# Altium PCB CT9042 Main Board with transformers.PcbDoc (part 2 of 2) (continued)
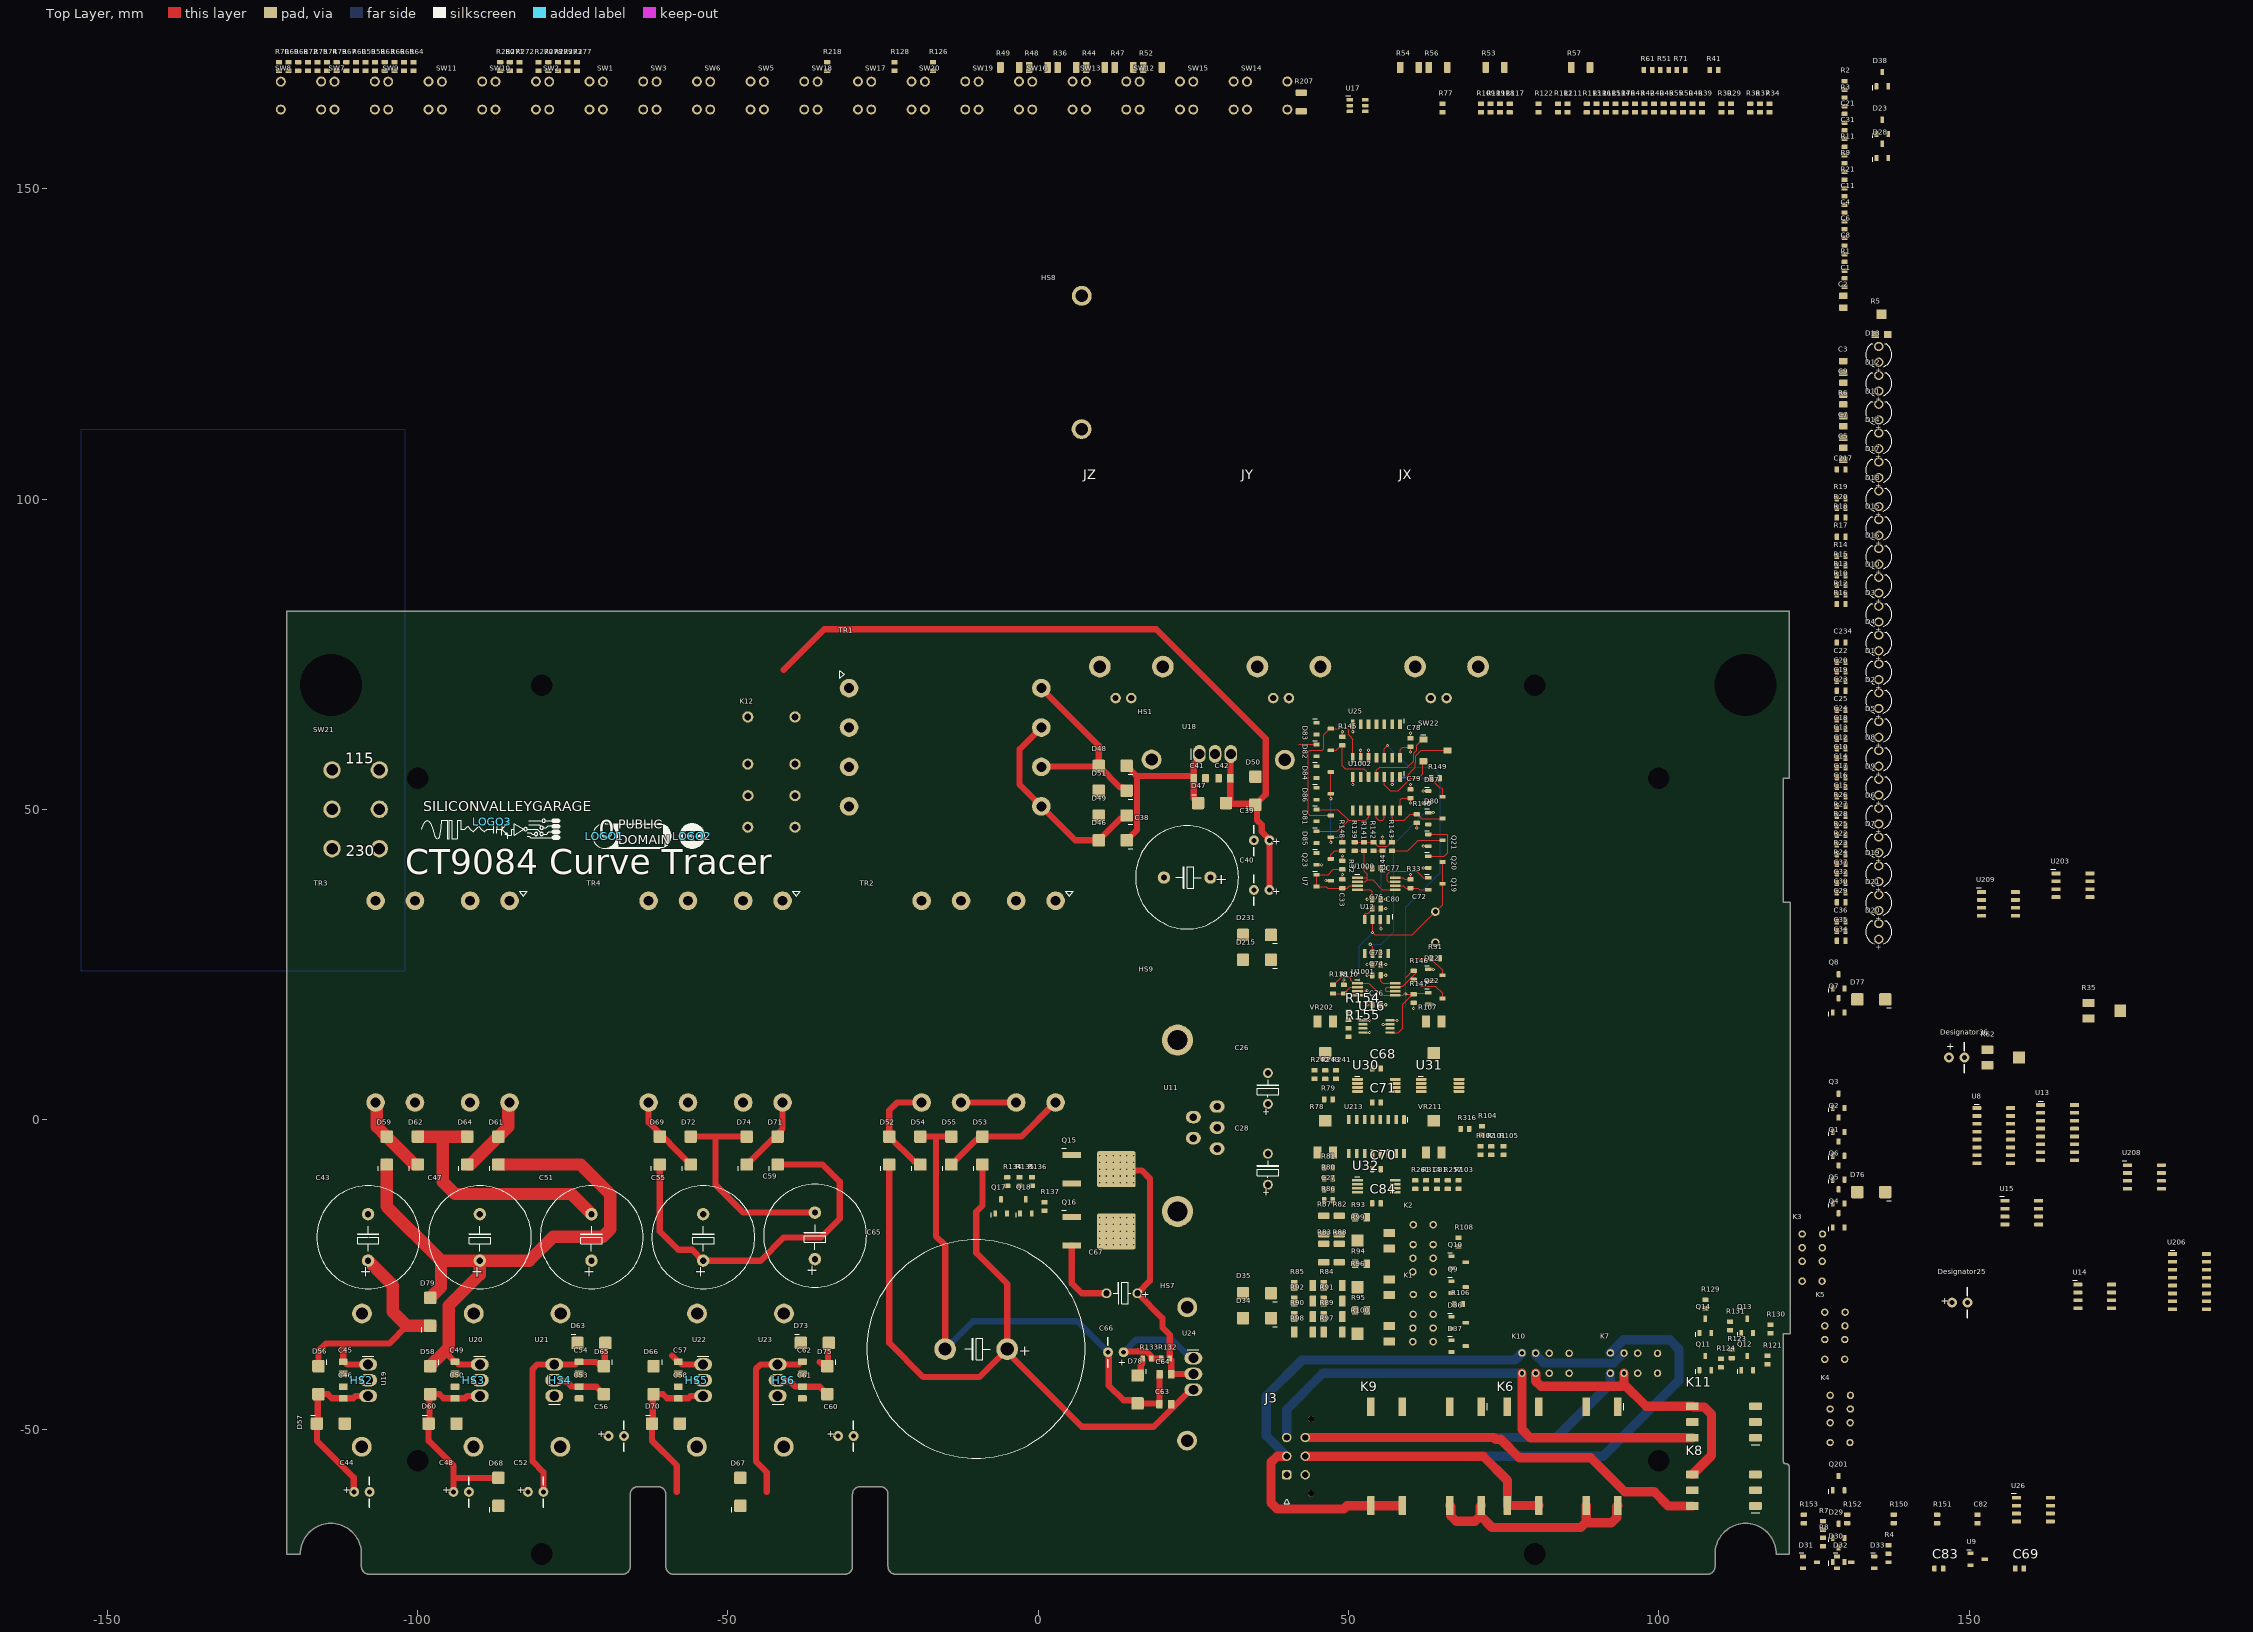
[diagram p0: Top Layer view]
## Nets (pads, with @x,y where several pads share a name; then routed paths per layer and width w, separated by ;. In a path a pad name is that pad's centre, name@x,y a point inside that pad or via, vN(x,y) a via of type N, cw(c..) or ccw(c..) an arc to the next point about the centre after c; other vN are vias at no path point) (continued)
  Top Layer w1: C52.2@-79.75,-60 -79.75,-56.85 -81.5,-55.1 -81.5,-40.204 -80.756,-39.46 U21.3@-78,-39.46 -74.585,-39.46 -74.175,-39.05 C54.2@-74,-39.05 -71.25,-39.05 D65.1@-70.6,-39.7 ; D65.1@-70,-39.75 -69.875,-39.625 -69.875,-36.125 D63.2@-69.75,-36
  Layer 2 w0.5: v2(53,34) v2(53,35.5)
N15VA: C17.2 C18.2 C19.2 C22.2 C32.1 C37.2 C60.2 C62.2 C76.2 D22.1 D23.1 D28.1 D30.1 D38.1 D67.2 D73.2 D75.1 Q5.3 Q18.2 R44.1 R137.2 U8.4 U15.3 U23.3 U203.4 U209.8 U1001.4 | length 38.6
  Top Layer w0.2: U1001.4@51.45,20.025 53.475,20.025 53.81,19.69 C76.2@53.81,18.5 v2(53,18.5) ; D22.1@62.85,24.2 v2(63.66,24.2)
  Top Layer w1: -43.75,-60 -43.75,-56.85 -45.5,-55.1 -45.5,-40.204 -44.756,-39.46 U23.3@-42,-39.46 -38.585,-39.46 -38.175,-39.05 C62.2@-38,-39.05 ; -35.25,-39.05 D75.1@-34.6,-39.7 ; D75.1@-34,-39.75 -33.875,-39.625 -33.875,-36.125 D73.2@-33.75,-36
N56V: C63.2 C64.2 C65.2 C66.2 C67.2 D35.1 D54.2 D55.2 D78.2 Q16.3 | length 102.2
  Top Layer w1: D54.2@-19,-2.75 -16.5,-2.75 ; C65.2@-15,-37 -15,-20.287 -16.5,-18.787 -16.5,-2.75 ; D55.2@-14,-2.75 -16.5,-2.75 ; Q16.3@5.41,-20.285 5.41,-26.41 7,-28 C67.2@11,-28 ; C66.2@11.25,-37.5 11.365,-37.615 11.365,-42.865 13.75,-45.25 15.5,-45.25 D78.2@16,-45.75 19.493,-45.75 19.518,-45.775 C63.2@19.518,-45.882 19.518,-41.245 19.547,-41.216 C64.2@19.547,-41.041
  Bottom Layer w1: C65.2@-15,-37 -10.5,-32.5 6.25,-32.5 C66.2@11.25,-37.5
NetC21_1: C21.1
NetC23_2: C23.2 R50.2 R55.1
NetC26_1: C26.1 D215.1 D231.1 U11.5
NetC27_1: C27.1 R81.2
NetC28_2: C28.2 D34.2 D35.2 U11.3
NetC33_1: C33.1 R32.2 U7.1 U7.2 U1000.3 | length 13.3
  Top Layer w0.2: R32.2@49,40.31 47.56,40.31 46.7,39.45 U7.1@44.85,39.45 U7.2@44.85,37.55 46.45,37.55 46.69,37.31 C33.1@49,37.31 49.81,37.31 50.175,37.675 U1000.3@51.45,37.675
NetC34_1: C34.1 R116.2
NetC34_2: C34.2 R117.2 R272.1 R273.2 U14.5
NetC35_1: C35.1 R218.1 R278.2
NetC36_2: C36.2 C37.1
NetC38_1: C38.1 C41.1 D46.1 D47.1 D48.1 U18.1 | length 31.3
  Top Layer w1: D46.1@14.25,45 15.9,46.65 15.9,55.35 ; D48.1@14.25,57 15.9,55.35 ; D47.1@25.75,51 25.05,51.7 C41.1@25.05,55 ; U18.1@25.957,58.913 25.957,58.192 25.05,57.286 C41.1@25.05,55 ; 15.9,55.35 24.7,55.35 24.85,55.2 25.025,55.2 25.05,55.175 C41.1@25.05,55
NetC43_1: C43.1 C45.1 D56.1 D79.1 U19.1 | length 42.2
  Top Layer w1: D56.1@-116,-39.75 -116,-37.3 -114.8,-36.1 -111.87,-36.1 ; C45.1@-112,-39.05 -112,-36.23 -111.87,-36.1 ; C45.1@-111.825,-39.05 -111.415,-39.46 U19.1@-108,-39.46 ; -101.75,-33.25 -104.6,-36.1 -111.87,-36.1
  Top Layer w2: C43.1@-108,-22.75 -104,-26.75 -104,-31 -101.75,-33.25 D79.1@-98,-33.25
NetC47_1: C47.1 C49.1 D58.1 D59.1 D61.1 D79.2 U20.1 | length 108.2
  Top Layer w1: -95,-36.75 -95,-38.05 -94.2,-38.85 -94.2,-39.025 -94.175,-39.05 C49.1@-94,-39.05 -93.825,-39.05 -93.415,-39.46 U20.1@-90,-39.46
  Top Layer w2: D59.1@-105,-7.25 -105,-14 -96.25,-22.75 ; D58.1@-98,-39.75 -95,-36.75 -95,-30 -90,-25 C47.1@-90,-22.75 ; D79.2@-98,-28.75 -96.25,-27 -96.25,-22.75 ; D61.1@-87,-7.25 -73.75,-7.25 -69,-12 -69,-17.703 -70.172,-18.875 -78.148,-18.875 -82.023,-22.75 C47.1@-90,-22.75 ; -96.25,-22.75 C47.1@-90,-22.75
NetC51_2: C51.2 C53.2 D62.2 D64.2 D65.2 U21.2 | length 50.4
  Top Layer w1: U21.2@-78,-42 -77.809,-42.191 -76.009,-42.191 -75.175,-43.025 -74.025,-43.025 C53.2@-74,-43.05 -71.2,-43.05 D65.2@-70,-44.25
  Top Layer w2: D62.2@-100,-2.75 -96,-2.75 ; D64.2@-92,-2.75 -96,-2.75 ; C51.2@-72,-15.25 -75.25,-12 -94,-12 -96,-10 -96,-2.75
NetC55_1: C55.1 C57.1 D66.1 D69.1 D71.1 U22.1 | length 67.3
  Top Layer w1: D69.1@-61,-7.25 -61,-18 -58,-21 -55.786,-21 -54.036,-22.75 C55.1@-54,-22.75 -44.75,-22.75 -41,-19 -35,-19 -32,-16 -32,-10 -34.75,-7.25 D71.1@-42,-7.25 ; -59,-38.05 -58.2,-38.85 -58.2,-39.025 -58.175,-39.05 -57.825,-39.05 -57.415,-39.46 U22.1@-54,-39.46
NetC59_2: C59.2 C61.2 D72.2 D74.2 D75.2 U23.2 | length 43.6
  Top Layer w1: D72.2@-56,-2.75 -52.031,-2.75 ; D74.2@-47,-2.75 -52.031,-2.75 ; U23.2@-42,-42 -41.809,-42.191 -40.009,-42.191 -39.175,-43.025 -38.025,-43.025 C61.2@-38,-43.05 -35.2,-43.05 D75.2@-34,-44.25 ; C59.2@-36,-15 -47.5,-15 -52.031,-10.469 -52.031,-2.75
NetC66_1: C66.1 D77.2 R132.2 R133.2 U24.1 | length 20.1
  Top Layer w1: C66.1@13.75,-37.5 13.865,-37.385 16.027,-37.385 16.062,-37.35 17.382,-37.35 18.19,-38.158 R133.2@18.19,-38.5 R132.2@19.81,-38.5
  Bottom Layer w1: C66.1@13.75,-37.5 15.75,-35.5 21.59,-35.5 24.55,-38.46 U24.1@25,-38.46
NetC72_1: C72.1 Q19.3 Q20.3 U12.3 U1001.3 | length 34.8
  Top Layer w0.2: U1001.3@51.45,20.675 51.525,20.75 v2(53,20.75) ; U12.3@53.865,32.225 v2(53.865,30.135) 54.25,29.75 60.25,29.75 C72.1@64,33.5 65.15,34.65 Q19.3@65.15,38 Q20.3@65.15,41.5
  Bottom Layer w0.2: v2(53,20.75) 51.75,22 51.75,28.02 v2(53.865,30.135)
NetC81_1: C81.1 R257.2 R314.1
NetC82_1: C82.1 R151.2
NetC82_2: C82.2 R150.1 R152.2 R153.2 U26.5
NetC217_1: C217.1 R270.2
NetC217_2: C217.2 R111.1 R113.1 R114.1 R271.2 U14.3
NetC234_1: C234.1 D23.3 Q201.3 R36.2 U203.2
NetC234_2: C234.2 Q2.1 Q5.1 R41.1 U203.1
NetD1_1: D1.1 R11.1
NetD2_1: D2.1 R8.1
NetD3_1: D3.1 R16.1
NetD4_1: D4.1 R12.1
NetD5_1: D5.1 R17.1
NetD6_1: D6.1 R15.1
NetD7_1: D7.1 R20.1
NetD8_1: D8.1 R23.1
NetD9_1: D9.1 R26.1
NetD10_1: D10.1 R28.1
NetD11_1: D11.1 R13.1
NetD12_1: D12.1 R14.1
NetD13_1: D13.1 R19.1
NetD14_1: D14.1 R22.1
NetD15_1: D15.1 R25.1
NetD16_1: D16.1 R18.1
NetD17_1: D17.1 R21.1
NetD18_1: D18.1 R24.1
NetD19_1: D19.1 R27.1
NetD20_1: D20.1 R10.1
NetD21_1: D21.1 R9.1
NetD22_3: D22.3 R31.1 U1001.6 U1001.7 | length 13.8
  Top Layer w0.2: U1001.6@57.55,20.675 56.117,20.675 56,20.792 56,21.133 56.192,21.325 U1001.7@57.55,21.325 57.675,21.45 58.7,21.45 61,23.75 ; 61,26 R31.1@63.31,26 63.31,25.865 65.15,24.025 D22.3@65.15,23.25
NetD24_1: R207.2
NetD24_3: Q2.2 Q5.2 R41.2
NetD25_3: K3.3 R40.1 R49.1 R50.1 R54.1
NetD26_3: R44.2
NetD28_3: D28.3 R51.2 U203.3
NetD30_3: D30.3 R66.2 U209.3
NetD31_1: D31.1 K3.8 Q6.3
NetD32_1: D32.1 K4.8 Q7.3
NetD33_1: D33.1 K5.8 Q8.3
NetD36_1: D36.1 K2.8 Q10.3
NetD37_1: D37.1 K1.8 Q9.3
NetD38_3: D38.3 R118.1
NetD39_1: Q12.3 R121.1
NetD39_3: Q11.1 R124.1
NetD43_1: Q14.3 R129.1
NetD43_3: Q13.1 R131.1
NetD44_1: K7.8 Q11.3 R119.1 R122.1
NetD45_1: K10.8 Q13.3 R126.1 R128.1
NetD46_2: D46.2 D49.1 TR1.5 TR1.7 | length 33.3
  Top Layer w1: TR1.7@0.494,63.175 -3,59.681 -3,53.969 TR1.5@0.494,50.475 5.969,45 D46.2@9.75,45 13.25,48.5 13.75,48.5 D49.1@14.25,49
NetD48_2: D48.2 D51.1 TR1.6 TR1.8 | length 31.8
  Top Layer w1: TR1.6@0.494,56.825 0.581,56.912 9.662,56.912 D48.2@9.75,57 ; TR1.8@0.494,69.525 9.75,60.269 D48.2@9.75,57 ; D51.1@14.25,53 13.75,53.5 13.25,53.5 D48.2@9.75,57
NetD52_2: D52.2 D54.1 TR2.5 | length 16.8
  Top Layer w1: D54.1@-19,-7.25 -19.5,-6.75 -20,-6.75 D52.2@-24,-2.75 -24,1.5 -22.756,2.744 TR2.5@-18.795,2.744
NetD53_2: D53.2 D55.1 TR2.8 | length 20.9
  Top Layer w1: D55.1@-14,-7.25 -10,-3.25 -9.5,-3.25 D53.2@-9,-2.75 -2.75,-2.75 2.744,2.744 TR2.8@2.795,2.744
NetD59_2: D59.2 D62.1 TR3.5 | length 13.1
  Top Layer w2: TR3.5@-106.795,2.744 -106.604,2.553 -106.604,-1.146 D59.2@-105,-2.75 -100.5,-7.25 D62.1@-100,-7.25
NetD61_2: D61.2 D64.1 TR3.8 | length 13.1
  Top Layer w2: D64.1@-92,-7.25 -91.5,-7.25 D61.2@-87,-2.75 -85.396,-1.146 -85.396,2.553 TR3.8@-85.205,2.744
NetD69_2: D69.2 D72.1 TR4.5 | length 12.8
  Top Layer w1: TR4.5@-62.795,2.744 -62.795,-0.455 D72.1@-56,-7.25
NetD71_2: D71.2 D74.1 TR4.8 | length 12.4
  Top Layer w1: D74.1@-47,-7.25 -41.205,-1.455 TR4.8@-41.205,2.744
NetD78_1: D78.1 R133.1 | length 3.1
  Top Layer w1: D78.1@16,-41.25 16.5,-40.75 16.5,-39.568 16.81,-39.258 R133.1@16.81,-38.5
NetD80_1: D80.1 U12.6 | length 30
  Top Layer w0.2: v2(53.5,28.25) 53.5,28.202 53.865,27.837 U12.6@53.865,26.775 ; D80.1@62.85,49.45 v2(63.66,49.45)
  Bottom Layer w0.2: v2(53.5,28.25) 55.25,28.25 57.25,30.25 57.25,44.351 62.399,49.5 63.66,49.5 64,49.5
NetD80_3: D80.3 R140.1 U1002.13 | length 10.2
  Top Layer w0.2: U1002.13@57.04,49.8 57.04,48.46 57.25,48.25 59,48.25 59.94,49.19 R140.1@61,49.19 61.135,49.19 61.825,48.5 D80.3@65.15,48.5
NetD81_1: D81.1 D85.1 U1002.10 | length 16.2
  Top Layer w0.2: D85.1@44.85,46.45 48.2,46.45 50,48.25 ; D81.1@44.85,49.95 48.3,49.95 50,48.25 ; U1002.10@53.23,49.8 53.23,48.73 52.75,48.25 50,48.25
NetD82_3: D82.3 R145.1 U1002.5 | length 10.8
  Top Layer w0.2: D82.3@47.15,59.5 48.055,59.5 48.865,60.31 R145.1@49,60.31 49,57 49.5,56.5 52.43,56.5 53.23,55.7 U1002.5@53.23,55.2
NetD83_1: D83.1 D86.1 U1002.6
NetD84_1: D84.1 Q22.1 R147.2 U25.12 | length 56.1
  Top Layer w0.2: U25.12@55.77,58.3 55.77,59.77 v2(56.25,60.25) ; v2(59.25,20.25) 59.28,20.22 60.47,20.22 R147.2@60.5,20.19 60.63,20.32 62.72,20.32 Q22.1@62.85,20.45
  Bottom Layer w0.2: v2(56.25,60.25) 59.75,56.75 63.5,56.75 64.75,55.5 64.75,39.75 59.25,34.25 59.25,18
NetD84_3: D84.3 D85.3 D86.3 R148.2 | length 14.6
  Top Layer w0.2: v2(47.15,44.69) D85.3@47.15,45.5 48.75,45.5 49,45.25 R148.2@49,44.69 ; v2(47.15,51.69) D86.3@47.15,52.5 D84.3@47.15,56
  Bottom Layer w0.2: v2(47.15,44.69) v2(47.15,51.69)
NetD87_3: D87.3 R149.1 U1002.2 | length 11.9
  Top Layer w0.2: v2(57.04,53.99) U1002.2@57.04,55.2 ; v2(62.5,55) R149.1@63.31,55 63.31,54.865 64.675,53.5 65,53.5 65.15,53.35 D87.3@65.15,52
  Bottom Layer w0.2: v2(57.04,53.99) 58.05,55 v2(62.5,55)
NetDISP1_3: R5.2
NetDISP1_16: R6.2
NetJ1_16: R2.1
NetJ1_18: R1.1
NetJ3_2: J3.2 K9.5 K9.6 K10.4 | length 85.7
  Top Layer w1.5: J3.2@40.03,-54.25 40.026,-54.254 38.496,-54.254 37.5,-55.25 37.5,-61.75 38.5,-62.75 49.25,-62.75 49.75,-62.25 58,-62.25
  Bottom Layer w1.5: J3.2@40.03,-54.25 36.75,-50.97 36.75,-44.5 42.5,-38.75 76.812,-38.75 K10.4@77.95,-37.613
NetJ3_3: J3.3 K10.5 K11.6 | length 82
  Top Layer w1.5: K10.5@77.95,-40.888 77.95,-49.95 79.29,-51.29 K11.6@105.42,-51.29
  Bottom Layer w1.5: J3.3@40.03,-51.25 40.03,-46.72 45.862,-40.888 K10.5@77.95,-40.888
NetJ3_5: J3.5 K6.5 K6.6 K7.4 | length 126.2
  Top Layer w1.5: J3.5@43.03,-54.25 71.693,-54.25 75.61,-58.167 K6.5@75.61,-62.2 K6.6@80.69,-62.2
  Bottom Layer w1.5: J3.5@43.03,-54.25 91,-54.25 103.25,-42 103.25,-37 101.75,-35.5 94.313,-35.5 K7.4@92.2,-37.613
NetJ3_6: J3.6 K7.5 K8.6 | length 121.4
  Top Layer w1.5: J3.6@43.03,-51.25 73.5,-51.25 73.75,-51.5 74.5,-51.5 77.5,-54.5 89.034,-54.5 94.534,-60 99.25,-60 101.54,-62.29 K8.6@105.42,-62.29
  Bottom Layer w1.5: J3.6@43.03,-51.25 83.5,-51.25 92.2,-42.55 K7.5@92.2,-40.888
NetK1_3: K1.3 K2.3 R82.1 R87.1 R93.1 U11.4
NetK1_4: K1.4 R83.2 R84.1 R88.2 R89.1 R91.1 R95.2 R97.1
NetK1_5: K1.5 R100.1 R100.2
NetK1_6: K1.6 K2.7
NetK1_7: K1.7 R99.1 R99.2
NetK2_4: K2.4 R82.2 R83.1 R87.2 R88.1 R94.2
NetK2_5: K2.5 R96.1 R96.2
NetK2_6: K2.6 R261.2
NetK3_2: K3.2 R56.1 R57.1
NetK3_4: K3.4 Q3.2 Q4.2 R36.1 R40.2
NetK3_6: K3.6 R47.1 R48.1 R52.1 R53.1
NetK4_6: K4.6 R48.2 R49.2 R53.2 R54.2
NetK5_6: K5.6 R51.1
NetK6_3: K6.3 R119.2
NetK8_2: K8.2 R122.2
NetK9_3: K9.3 R126.2
NetK11_2: K11.2 R128.2
NetK12_4: K12.4 TR2.1 TR3.1 TR4.1 | length 103
  Layer 2 w2: TR3.1@-85.205,35.256 -80.461,40 -47,40 ; K12.4@-46.81,47.11 -47,46.92 -47,40 ; TR2.1@2.795,35.256 -1.949,40 -27,40 -31.744,35.256 TR4.1@-41.205,35.256 -45.949,40 -47,40
NetK12_5: K12.5 TR2.4 TR3.4 TR4.4 | length 98.7
  Layer 1 w2: TR3.4@-106.795,35.256 -102.051,40 -67.539,40 TR4.4@-62.795,35.256 -62.795,35.527 -61,37.322 -61,39 -58,42 -25.539,42 TR2.4@-18.795,35.256
NetQ1_1: Q1.1 R7.1
NetQ1_3: Q1.3 R6.1
NetQ3_1: Q3.1 R37.2 R42.2
NetQ4_1: Q4.1 R42.1 R43.1
NetQ6_1: Q6.1 R77.2
NetQ7_1: Q7.1 R72.2
NetQ8_1: Q8.1 R69.2
NetQ9_1: Q9.1 R106.2
NetQ10_1: Q10.1 R108.2
NetQ12_1: Q12.1 R123.2
NetQ14_1: Q14.1 R130.2
NetQ15_1: Q15.1 Q16.1 R136.2
NetQ17_2: Q17.2 Q18.1 R134.2
NetQ17_3: Q17.3 R137.1
NetQ18_3: Q18.3 R135.2 R136.1
NetQ19_1: Q19.1 U1000.7 | length 9.6
  Top Layer w0.2: U1000.7@57.55,38.325 56.425,38.325 56.25,38.5 56.25,39.5 56.75,40 61,40 62.05,38.95 Q19.1@62.85,38.95
NetQ19_2: Q19.2 R33.2 U1000.6 | length 5.6
  Top Layer w0.2: U1000.6@57.55,37.675 58.825,37.675 59.19,37.31 R33.2@60,37.31 61.19,37.31 61.45,37.05 Q19.2@62.85,37.05
NetQ21_3: Q21.3 R143.1 | length 8.9
  Top Layer w0.2: R143.1@57,43.31 59.56,43.31 61.25,45 Q21.3@65.15,45
NetQ22_3: Q22.3 R146.2 U16.5 | length 15.1
  Top Layer w0.2: U16.5@56.7,14.025 58.025,14.025 58.75,14.75 58.75,18.56 60.105,19.915 ; 60.105,22.165 60.105,22.3 60.365,22.56 R146.2@60.5,22.56 60.635,22.56 61.695,21.5 64,21.5 65.15,20.35 Q22.3@65.15,19.5
NetQ23_3: Q23.3 R148.1 SW22.2 U1002.3 | length 13.8
  Top Layer w0.2: Q23.3@47.15,42 47.15,42.65 47.81,43.31 R148.1@49,43.31 ; U1002.3@55.77,55.2 55.77,53.98 56.75,53 58,53 60,55 61.25,55 62,55.75 62,57.689 SW22.2@62.05,57.739
NetQ201_1: Q201.1 U203.7
NetQ201_2: Q201.2 R35.3
NetR4_1: R4.1 R5.1
NetR34_2: R34.2 R35.1
NetR35_2: R35.2 U203.6
NetR38_2: R38.2
NetR39_2: R39.2 U9.3 U203.5
NetR45_1: R45.1
NetR46_1: R46.1
NetR55_2: R55.2 R62.3
NetR58_1: R58.1 R62.2 R64.1 U208.2
NetR58_2: R58.2 R61.1 U206.2 U208.1
NetR59_2: R59.2 U206.15
NetR60_1: R60.1 R61.2 R63.1 U208.6
NetR60_2: R60.2 U206.1 U208.7
NetR62_1: R62.1 R65.2
NetR65_1: R65.1 R67.2 R70.1 U209.7
NetR67_1: R67.1 R68.2 U209.6
NetR68_1: R68.1 R71.1 U209.1 U209.2
NetR70_2: R70.2 R74.1 U206.5
NetR71_2: R71.2 R75.1 U206.3
NetR73_2: R73.2 U206.4
NetR74_2: R74.2 U8.15
NetR75_2: R75.2 U8.2
NetR78_2: R78.2 R79.1
NetR79_2: R79.2 R80.1 R81.1 R86.2 U11.2
NetR84_2: R84.2 R85.1
NetR86_1: R86.1 R257.1 U32.1 U32.2
NetR89_2: R89.2 R90.1
NetR91_2: R91.2 R92.1
NetR93_2: R93.2 R99.3
NetR94_1: R94.1 R96.3
NetR95_1: R95.1 R100.3
NetR97_2: R97.2 R98.1
NetR101_1: R101.1 U13.5 U31.1
NetR101_2: R101.2 R102.1 R104.1 R105.1 U31.2
NetR102_2: R102.2 R103.1 U13.3 U31.7
NetR103_2: R103.2 R261.1 R314.2 R316.2 U31.6
NetR105_2: R105.2 R107.2
NetR109_1: R109.1 R112.1 U13.1
NetR109_2: R109.2 U14.2 U15.5
NetR110_1: R110.1 R138.1 U1001.2 | length 4.4
  Top Layer w0.2: R138.1@47.5,20.31 R110.1@49.25,20.31 49.385,20.31 49.645,20.57 49.645,20.67 50.3,21.325 U1001.2@51.45,21.325
NetR114_2: R114.2 U13.13
NetR115_1: R115.1 U14.6
NetR121_2: R121.2 U17.1 U17.4
NetR123_1: R123.1 R130.1 U17.6
NetR129_2: R129.2 U17.2
NetR139_1: R139.1 R141.1 R142.1 R143.2 U12.2 | length 24.3
  Top Layer w0.2: R139.1@51,44.69 R141.1@52.5,44.69 R142.1@54,44.69 54.135,44.69 54.745,44.08 56.255,44.08 56.865,44.69 R143.2@57,44.69 v2(57,45.5) ; U12.2@55.135,32.225 55.135,30.865 v2(55.25,30.75)
  Bottom Layer w0.2: v2(55.25,30.75) 55.25,43.075 57,44.825 v2(57,45.5)
NetR142_2: R142.2 R144.1 | length 1.5
  Top Layer w0.2: R142.2@54,43.31 R144.1@55.5,43.31
NetR241_1: R241.1 VR202.2
NetR241_2: R241.2 R242.1 R243.2 U30.6
NetR242_2: R242.2 U30.7 U213.5
NetR278_1: R278.1 R279.1
NetR279_2: R279.2 R280.1
NetR316_1: R316.1 VR211.2
NetSW21_2: SW21.2 TR1.3 TR2.3 TR3.3 TR4.3 | length 196.5
  Layer 1 w2: SW21.2@-113.81,50 -110,46.19 -110,42 -111,41 -111,30 ; TR3.3@-100.445,35.256 -105.701,30 -111,30 ; TR4.3@-56.445,35.256 -56.445,22.445 -56,22 ; TR1.3@-30.494,56.825 -25.825,56.825 -25.001,56.001 -12.445,43.445 TR2.3@-12.445,35.256 -12.445,25.555 -16,22 -56,22 ; -111,30 -111,24 -109,22 -56,22
NetSW21_3: SW21.3 SW21.4 | length 7.6
  Layer 2 w2: SW21.3@-113.81,43.65 SW21.4@-106.19,43.65
NetSW21_5: SW21.5 TR1.2 TR2.2 TR3.2 TR4.2 | length 165.7
  Layer 1 w2: TR1.2@-30.494,63.175 -23.175,63.175 -8,48 -8,39.701 TR2.2@-3.555,35.256
  Layer 2 w2: SW21.5@-106.19,50 -98,50 -91.555,43.555 TR3.2@-91.555,35.256 -86.299,30 -52.811,30 TR4.2@-47.555,35.256 -42.299,30 -9,30 -3.744,35.256 TR2.2@-3.555,35.256
NetSW22_1: SW22.1 U1002.4 | length 11.9
  Top Layer w0.2: U1002.4@54.5,55.2 54.5,56.25 55,56.75 59.5,56.75 60.5,57.75 60.5,59 61,59.5 61,60.339 61.9,61.239 SW22.1@62.05,61.239
NetSW22_3: SW22.3 U1002.1 | length 10.4
  Top Layer w0.2: U1002.1@58.31,55.2 59.2,55.2 60.75,56.75 60.75,57.505 60.85,57.605 60.85,58.6 61.739,59.489 SW22.3@65.95,59.489
NetTR2_6: TR2.6 TR2.7 | length 8.9
  Top Layer w1: TR2.6@-12.445,2.744 TR2.7@-3.555,2.744
NetU13_15: U13.15 U15.4
NetU25_11: U25.11 U1002.8
NetU32_3: U32.3 U213.4
OVERLOAD: R116.1 R117.1 R151.1 R153.1 R270.1 R271.1 R277.1 U14.1 U14.7 U26.7
P5VA: C10.1 C11.1 C24.1 C29.1 C48.1 C50.1 C68.1 C69.1 C70.1 C73.1 C77.1 C78.1 C79.1 D58.2 D60.1 D68.2 D87.2 D215.2 R32.1 R33.1 R37.1 R78.3 R107.3 R154.1 R155.1 R277.2 U8.12 U12.7 U14.8 U16.8 U20.3 U25.14 U30.8 U31.8 U32.8 U206.16 U208.4 U1000.8 U1002.14 VR202.3 VR211.3 | length 89.9
  Top Layer w0.2: R32.1@49,41.69 v2(49,42.5) ; C73.1@55.19,25 v2(56,25) ; C77.1@55.19,40.5 v2(56,40.5) ; U16.8@56.7,15.975 v2(57.81,15.975) ; U1000.8@57.55,38.975 58.775,38.975 59.06,38.69 R33.1@60,38.69 v2(60,39.5) ; U1002.14@58.31,49.8 58.31,51.56 58.56,51.81 C79.1@60,51.81 v2(60,51) ; U25.14@58.31,58.3 58.31,59.56 58.75,60 59.94,60 C78.1@60,60.06 v2(60,59.25) ; v2(62.04,51.05) D87.2@62.85,51.05
  Top Layer w1: C48.1@-94.25,-60 -94.25,-57.875 ; U20.3@-90,-44.54 -92,-44.54 -92.385,-44.925 -93.975,-44.925 C50.1@-94,-44.95 -94.025,-44.925 -95.825,-44.925 -96.5,-44.25 D58.2@-98,-44.25 -98.125,-44.375 -98.125,-48.875 D60.1@-98.25,-49 -98.25,-51.75 -94.25,-55.75 -94.25,-57.875 ; D68.2@-87,-57.75 -94.125,-57.75 -94.25,-57.875
  Layer 2 w0.5: v2(56,25) 60,29 v2(60,39.5) 60,40.5 ; v2(56,40.5) 60,40.5 ; v2(60,59.25) 60,57.25 59.25,56.5 59.25,51.75 v2(60,51) 60,40.5
P5VD: C44.1 C46.1 D56.2 D57.1 U19.3 | length 26.8
  Top Layer w1: C44.1@-110.25,-60 -110.3,-59.95 -110.3,-57.7 -116.25,-51.75 D57.1@-116.25,-49 -116.125,-48.875 -116.125,-44.375 D56.2@-116,-44.25 -114.5,-44.25 -113.825,-44.925 -112.025,-44.925 C46.1@-112,-44.95 -111.975,-44.925 -110.385,-44.925 -110,-44.54 U19.3@-108,-44.54
P5VREL: C39.1 C40.1 C42.1 D31.3 D32.3 D33.3 D36.3 D37.3 D47.2 D50.1 K1.1 K2.1 K3.1 K4.1 K5.1 K6.2 K7.1 K8.1 K9.2 K10.1 K11.1 K12.1 U18.3 | length 126.7
  Top Layer w1: -41,72.5 -34.5,79 19,79 36.65,61.35 36.65,52.4 D50.1@35,50.75 ; U18.3@31.037,58.913 30.975,58.851 30.975,55.025 C42.1@30.95,55 30.95,51.7 D47.2@30.25,51 30.375,50.875 34.875,50.875 D50.1@35,50.75 ; C40.1@37.25,37 C39.1@37.25,45 37.25,45.162 36,46.412 36,47.5 35.25,48.25 35.25,50.5 D50.1@35,50.75
P15VA: C12.1 C13.1 C14.1 C20.2 C31.1 C36.1 C56.1 C58.1 C74.1 D22.2 D23.2 D28.2 D30.2 D38.2 D66.2 D68.1 D70.1 Q2.3 R34.1 R134.1 R135.1 R207.1 U8.13 U9.1 U9.2 U15.6 U22.3 U203.8 U209.4 U1001.8 | length 31
  Top Layer w0.2: v2(56,23.25) C74.1@55.19,23.25 55.19,22.31 55.525,21.975 U1001.8@57.55,21.975 ; D22.2@62.85,22.3 v2(63.66,22.3)
  Top Layer w1: -58.25,-60 -58.25,-55.75 -62.25,-51.75 D70.1@-62.25,-49 -62.125,-48.875 -62.125,-44.375 D66.2@-62,-44.25 -60.5,-44.25 -59.825,-44.925 -58.025,-44.925 C58.1@-58,-44.95 -57.975,-44.925 -56.385,-44.925 -56,-44.54 U22.3@-54,-44.54
P48V: C64.1 C67.1 D76.2 D77.1 D231.2 Q15.4 R132.1 U24.2 | length 44.2
  Top Layer w1: Q15.4@12.59,-8.005 12.786,-8.201 16.701,-8.201 18,-9.5 18,-26 C67.1@16,-28 20,-32 20,-33.5 21.19,-34.69 R132.1@21.19,-38.5 21.447,-38.757 C64.1@21.447,-41.041 21.468,-41.02 24.98,-41.02 U24.2@25,-41
  other v1: 9.885,-10.205 10.985,-10.205 12.085,-10.205 13.185,-10.205 14.285,-10.205 15.385,-10.205 9.885,-9.105 10.985,-9.105 12.085,-9.105 13.185,-9.105 14.285,-9.105 15.385,-9.105 9.885,-8.005 10.985,-8.005 12.085,-8.005 13.185,-8.005 14.285,-8.005 15.385,-8.005 9.885,-6.905 10.985,-6.905 12.085,-6.905 13.185,-6.905 14.285,-6.905 15.385,-6.905 9.885,-5.805 10.985,-5.805 12.085,-5.805 13.185,-5.805 14.285,-5.805 15.385,-5.805
P56V: C63.1 C65.1 D52.1 D53.1 D76.1 U24.3 | length 122.1
  Top Layer w1: D52.1@-24,-7.25 -24,-36 -18.5,-41.5 -9.5,-41.5 -5.25,-37.25 C65.1@-5,-37 ; D53.1@-9,-7.25 -9,-13.875 -10,-14.875 -10,-21.5 -5,-26.5 C65.1@-5,-37 ; U24.3@25,-43.54 24.55,-43.54 18.59,-49.5 7,-49.5 -5,-37.5 C65.1@-5,-37
PMA: U13.11
PMB: U13.10
PNC: U13.9 U213.9
POWERON: 
POWERRELAY: K12.8
ROTCLICK: 
ROTPHA: 
ROTPHB: 
RUN/S\T\O\P\: D82.1 | length 2.9
  Top Layer w0.2: 42,60.5 42.05,60.45 D82.1@44.85,60.45
SCL: R154.2 U16.2
SDA: R155.2 U16.3
SWEEP: R138.2 R146.1 U1001.1 U1001.5 | length 15.7
  Top Layer w0.2: R138.2@47.5,21.69 47.635,21.69 48.945,23 50,23 50.35,22.65 50.35,22.45 50.825,21.975 U1001.1@51.45,21.975 53.275,21.975 55,20.25 55,20.117 55.117,20 57.525,20 U1001.5@57.55,20.025 58.775,20.025 59.25,20.5 ; 59.25,22.75 59.25,22.825 60.365,23.94 R146.1@60.5,23.94
SYNC: U1002.11 U1002.12 | length 4
  Top Layer w0.2: U1002.11@54.5,49.8 54.5,48.617 54.867,48.25 55.5,48.25 55.77,48.52 U1002.12@55.77,49.8
VC/VD: C27.2 K6.7 K6.8 K7.3 K9.7 K9.8 K10.3 R80.2 R85.2 R90.2 R92.2 R98.2 | length 52.9
  Top Layer w1.5: K9.7@66.31,-62.2 66.46,-62.35 66.46,-63.871 67.339,-64.75 70.371,-64.75 71.25,-63.871 ; K9.8@71.39,-62.2 71.25,-62.34 71.25,-63.871 ; K6.7@88.31,-62.2 88.31,-64.871 ; K6.8@93.39,-62.2 93.24,-62.35 93.24,-64.121 92.361,-65 88.439,-65 88.31,-64.871 ; 71.25,-63.871 73.129,-65.75 87.431,-65.75 88.31,-64.871
  Bottom Layer w1.347: 91.504,-39.25 92.788,-39.25 K7.3@94.4,-37.638
  Bottom Layer w1.5: v2(80.15,-37.638) 80.15,-37.9 81.5,-39.25 91.504,-39.25
VCA: 
VCB: 
VREF: R38.1 R111.2 R139.2 R141.2 R150.2 R272.2 U1000.1 U1000.2 U1000.5 | length 14.9
  Top Layer w0.2: R139.2@51,43.31 R141.2@52.5,43.31 52.5,40 53,39.5 53,39.059 ; U1000.2@51.45,38.325 52.708,38.325 53,38.617 ; U1000.1@51.45,38.975 52.916,38.975 53,39.059 ; U1000.5@57.55,37.025 55.475,37.025 53.883,38.617 53,38.617 ; 53,38.617 53,39.059
XOUT: JX.1 R31.2
YOUT: JY.1 R118.2
pads on no net: D29.2 D31.2 D32.2 D33.2 D36.2 D37.2 D80.2 D81.2 D82.2 D83.2 D84.2 D85.2 D86.2 Designator25.1 Designator25.2 Designator36.1 Designator36.2 HS1.ME1 HS1.ME2 HS2.ME1 HS2.ME2 HS3.ME1 HS3.ME2 HS4.ME1 HS4.ME2 HS5.ME1 HS5.ME2 HS6.ME1 HS6.ME2 HS7.ME1 HS7.ME2 HS8.ME1 HS8.ME2 HS9.ME1 HS9.ME2 J3. K1.2 K2.2 K3.7 K4.2 K4.3 K4.4 K4.7 K5.2 K5.3 K5.4 K6.1 K6.4 K7.2 K7.7 K8.3 K8.5 K9.1 K9.4 K10.2 K10.7 K11.3 K11.5 K12.3 K12.6 Q17.1 SW1.2 SW1.3 SW2.1 SW2.4 SW3.1 SW3.4 SW5.2 SW5.3 SW6.1 SW6.4 SW7.1 SW7.4 SW8.2 SW8.3 SW8.4 SW9.2 SW9.3 SW9.4 SW10.2 SW10.3 SW10.4 SW11.2 SW11.3 SW12.1 SW12.4 SW13.1 SW13.4 SW14.2 SW14.3 SW15.1 SW15.4 SW16.1 SW16.4 SW17.1 SW17.4 SW18.1 SW18.4 SW19.2 SW19.3 SW20.1 SW20.4 U8.6 U8.7 U8.8 U8.9 U8.10 U8.11 U12.1 U12.5 U12.8 U13.6 U13.7 U13.8 U13.16 U25.1 U25.2 U25.3 U25.4 U25.5 U25.6 U25.13 U26.1 U26.2 U26.3 U26.4 U26.8 U32.5 U32.6 U32.7 U206.11 U206.12 U206.13 U206.14 U213.1 U213.2 U213.6 U213.7 U213.8 U213.10 U213.11 U213.12 U213.13 U213.14 U213.15 U213.16
copper on no net: | length 279
  Bottom Layer w0.05: -154.25,24 -154.25,111.25 -102,111.25 -102,24 -154.25,24

## Silkscreen, mask and mechanical layers (free items; w line width, h text height)
Top Overlay:
  text "CT9084 Curve Tracer" at -102.008,38.188 h7
Bottom Overlay:
  text "https://github.com/vincent-himpe/Resistor-DecadeBox" at 115.672,94.828 h2
Mechanical 2:
  lines w0.05: -121.111,-68.73 -121.111,-66.871 ; -22.303,-73.275 100.7,-73.275 107.774,-73.275 ; -21.686,-73.275 -22.92,-73.275 cw(c-22.92,-72.005) -24.19,-72.005 -24.19,-60.401 ccw(c-25.46,-60.401) -25.46,-59.131 -27.076,-59.131 -28.692,-59.131 ccw(c-28.692,-60.401) -29.962,-60.401 -29.962,-72.005 cw(c-31.232,-72.005) -31.232,-73.275 -32.467,-73.275 -57.498,-73.275 -58.733,-73.275 cw(c-58.733,-72.005) -60.003,-72.005 -60.003,-60.401 ccw(c-61.273,-60.401) -61.273,-59.131 -62.889,-59.131 -64.505,-59.131 ccw(c-64.505,-60.401) -65.775,-60.401 -65.775,-72.005 cw(c-67.045,-72.005) -67.045,-73.275 -68.28,-73.275 -107.774,-73.275 cw(c-107.774,-72.005) -109.044,-72.005 -109.044,-70.495 cw(c-109.044,-70.489) -109.05,-70.489 -109.05,-70 ccw(c-114,-70) -118.95,-70 -121.111,-70 -121.111,81.9 121,81.9 121,55 120,55 120,35 121.125,35 121.125,-34.5 120,-34.5 120,-55 ccw(c120.5,-55) 120.5,-55.5 cw(c120.5,-56) 121,-56 ; 121,-56.292 121,-56 ; 107.774,-73.275 ccw(c107.774,-73.275) 107.774,-73.275 ; 107.774,-73.275 ccw(c107.774,-72.005) 109.044,-72.005 109.044,-70.495 ccw(c109.044,-70.489) 109.05,-70.489 109.05,-70 cw(c114,-70) 118.95,-70 121,-70 121,-56

## Text inside footprints (layer, text, board x,y; h text height)
C26: Top Overlay "+" at 37.632,0.525 h2 r90
C28: Top Overlay "+" at 37.632,-12.475 h2 r90
C38: Top Overlay "+" at 30.55,39.985 h3 r180
C39: Top Overlay "+" at 39.075,45.632 h2 r180
C40: Top Overlay "+" at 39.075,37.632 h2 r180
C43: Top Overlay "+" at -107.015,-25.55 h3 r90
C44: Top Overlay "+" at -112.075,-60.632 h2
C47: Top Overlay "+" at -89.015,-25.55 h3 r90
C48: Top Overlay "+" at -96.075,-60.632 h2
C51: Top Overlay "+" at -71.015,-25.55 h3 r90
C52: Top Overlay "+" at -84.075,-60.632 h2
C55: Top Overlay "+" at -53.015,-25.55 h3 r90
C56: Top Overlay "+" at -71.075,-51.632 h2
C59: Top Overlay "+" at -35.015,-25.3 h3 r90
C60: Top Overlay "+" at -34.075,-51.632 h2
C65: Top Overlay "+" at -1.125,-35.965 h3 r180
C66: Top Overlay "+" at 14.2,-38.318 h2 r180
C67: Top Overlay "+" at 17.975,-27.368 h2 r180
D1: Top Overlay "+" at 135.799,69.111 h0.8 r90
D2: Top Overlay "+" at 135.799,64.461 h0.8 r90
D3: Top Overlay "+" at 135.799,78.411 h0.8 r90
D4: Top Overlay "+" at 135.799,73.761 h0.8 r90
D5: Top Overlay "+" at 135.799,59.811 h0.8 r90
D6: Top Overlay "+" at 135.799,45.861 h0.8 r90
D7: Top Overlay "+" at 135.799,41.211 h0.8 r90
D8: Top Overlay "+" at 135.799,55.161 h0.8 r90
D9: Top Overlay "+" at 135.799,50.511 h0.8 r90
D10: Top Overlay "+" at 135.799,83.061 h0.8 r90
D11: Top Overlay "+" at 135.799,110.961 h0.8 r90
D12: Top Overlay "+" at 135.799,115.611 h0.8 r90
D13: Top Overlay "+" at 135.799,120.261 h0.8 r90
D14: Top Overlay "+" at 135.799,106.311 h0.8 r90
D15: Top Overlay "+" at 135.799,92.361 h0.8 r90
D16: Top Overlay "+" at 135.799,87.711 h0.8 r90
D17: Top Overlay "+" at 135.799,101.661 h0.8 r90
D18: Top Overlay "+" at 135.799,97.011 h0.8 r90
D19: Top Overlay "+" at 135.799,36.561 h0.8 r90
D20: Top Overlay "+" at 135.799,27.261 h0.8 r90
D21: Top Overlay "+" at 135.799,31.911 h0.8 r90
D34: Top Assembly "K" at 37.55,-30.55 h1.5 r180
D35: Top Assembly "K" at 37.55,-26.55 h1.5 r180
D46: Top Assembly "K" at 14.3,46.45 h1.5 r180
D47: Top Assembly "K" at 25.7,49.55 h1.5
D48: Top Assembly "K" at 14.3,58.45 h1.5 r180
D49: Top Assembly "K" at 14.3,50.45 h1.5 r180
D50: Top Assembly "K" at 36.45,50.7 h1.5 r90
D51: Top Assembly "K" at 14.3,54.45 h1.5 r180
D52: Top Assembly "K" at -22.55,-7.3 h1.5 r90
D53: Top Assembly "K" at -7.55,-7.3 h1.5 r90
D54: Top Assembly "K" at -17.55,-7.3 h1.5 r90
D55: Top Assembly "K" at -12.55,-7.3 h1.5 r90
D56: Top Assembly "K" at -117.45,-39.7 h1.5 r270
D57: Top Assembly "K" at -116.3,-50.45 h1.5
D58: Top Assembly "K" at -99.45,-39.7 h1.5 r270
D59: Top Assembly "K" at -103.55,-7.3 h1.5 r90
D60: Top Assembly "K" at -98.3,-50.45 h1.5
D61: Top Assembly "K" at -85.55,-7.3 h1.5 r90
D62: Top Assembly "K" at -98.55,-7.3 h1.5 r90
D63: Top Assembly "K" at -74.3,-37.45 h1.5
D64: Top Assembly "K" at -90.55,-7.3 h1.5 r90
D65: Top Assembly "K" at -71.45,-39.7 h1.5 r270
D66: Top Assembly "K" at -63.45,-39.7 h1.5 r270
D67: Top Assembly "K" at -46.55,-62.3 h1.5 r90
D68: Top Assembly "K" at -85.55,-62.3 h1.5 r90
D69: Top Assembly "K" at -59.55,-7.3 h1.5 r90
D70: Top Assembly "K" at -62.3,-50.45 h1.5
D71: Top Assembly "K" at -40.55,-7.3 h1.5 r90
D72: Top Assembly "K" at -54.55,-7.3 h1.5 r90
D73: Top Assembly "K" at -38.3,-37.45 h1.5
D74: Top Assembly "K" at -45.55,-7.3 h1.5 r90
D75: Top Assembly "K" at -35.45,-39.7 h1.5 r270
D76: Top Assembly "K" at 136.549,-10.239 h1.5 r180
D77: Top Assembly "K" at 136.549,20.811 h1.5 r180
D78: Top Assembly "K" at 14.55,-41.2 h1.5 r270
D79: Top Assembly "K" at -96.55,-33.3 h1.5 r90
D215: Top Assembly "K" at 37.55,27.2 h1.5 r180
D231: Top Assembly "K" at 37.55,31.2 h1.5 r180
Designator25: Top Overlay "+" at 145.425,-30.132 h2
Designator36: Top Overlay "+" at 146.3,10.818 h2
HS1: Top Assembly "MATING SURFACE" at 25.059,62.28 h1
HS2: Top Assembly "MATING SURFACE" at -104.72,-38.059 h1 r270
HS3: Top Assembly "MATING SURFACE" at -86.72,-38.059 h1 r270
HS4: Top Assembly "MATING SURFACE" at -81.28,-45.941 h1 r90
HS5: Top Assembly "MATING SURFACE" at -50.72,-38.059 h1 r270
HS6: Top Assembly "MATING SURFACE" at -45.28,-45.941 h1 r90
HS7: Top Assembly "MATING SURFACE" at 28.28,-37.059 h1 r270
HS8: Top Assembly "MATING SURFACE" at 2.72,118.059 h1 r90
HS9: Top Assembly "MATING SURFACE" at 19.92,-4.841 h1 r90
LOGO1: Top Overlay "0" at -70.851,44.329 h5; Top Overlay "PUBLIC / DOMAIN" at -67.71,43.879 h2.5
Q15: Top Assembly "1" at 3.91,-6.215 h0.3
Q16: Top Assembly "1" at 3.91,-16.215 h0.3
SW21: Top Overlay "230" at -111.625,41.748 h3; Top Overlay "115" at -111.65,56.698 h3; Top Assembly "S202121MS02Q" at -110.885,53.275 h1.5 r270; Top Assembly "S602131MS02Q" at -108.885,53.275 h1.5 r270; Top Assembly "115" at -111.65,56.698 h3; Top Assembly "230" at -111.625,41.748 h3
SW22: Top Assembly "1" at 61.4,60.739 h1; Top Assembly "1" at 61.4,60.739 h1
TR1: Top Assembly "1" at -31.392,68.314 h3
TR2: Top Assembly "1" at 1.584,36.154 h3 r270
TR3: Top Assembly "1" at -86.416,36.154 h3 r270
TR4: Top Assembly "1" at -42.416,36.154 h3 r270
U8: Top Assembly "1" at 150.525,1.55 h0.3
U12: Top Assembly "1" at 56.105,32.95 h0.3 r270
U13: Top Assembly "1" at 160.825,2.05 h0.3
U14: Top Assembly "1" at 166.8,-26.895 h0.3
U15: Top Assembly "1" at 155.05,-13.395 h0.3
U16: Top Assembly "1" at 51.575,15.777 h0.3
U17: Top Assembly "1" at 49.689,164.033 h0.3
U25: Top Assembly "1" at 58.01,64.5 h0.3 r270
U26: Top Assembly "1" at 156.919,-61.26 h0.3
U30: Top Assembly "1" at 50.6,6.25 h0.3
U31: Top Assembly "1" at 60.85,6.25 h0.3
U32: Top Assembly "1" at 50.6,-10 h0.3
U203: Top Assembly "1" at 163.3,39.355 h0.3
U206: Top Assembly "1" at 182.075,-21.97 h0.3
U208: Top Assembly "1" at 174.8,-7.645 h0.3
U209: Top Assembly "1" at 151.3,36.355 h0.3
U213: Top Assembly "1" at 58.645,0.7 h0.3 r270
U1000: Top Assembly "1" at 50.6,38.75 h0.3
U1001: Top Assembly "1" at 50.6,21.75 h0.3
U1002: Top Assembly "1" at 58.01,56 h0.3 r270